# KiCad board 8851_HW-U1-VCU118_REV2-0_071417.kicad_pcb (continued)
## Routing (per net, layer and track width the routed paths; a pad name or vN(x,y) marks a point on that pad's centre or on a via; arc(x,y) is an arc through that point) (continued)
  05_SIG2 w0.375: v3(173.1,25.43) 173.68,24.85 173.68,23.8 174.1,23.38 178,23.38 178.38,23 178.38,21.12 183,16.5 191.62,16.5 194.12,19 202.57,19 204.95,16.62 v3(204.95,14.65)
  11_PWR2 w0.375: 36.73,110.44 J70.1 ; J70.1 38.32,108.86 ; J70.1 37.52,108.6 ; J70.1 37.52,110.7 ; J70.1 36.47,109.65 ; J70.1 38.32,110.44 ; J70.1 38.58,109.65 ; J70.1 36.73,108.86 ; J82.1 11.69,101.24 ; J82.1 10.9,99.4 ; J82.1 11.69,99.65 ; J82.1 10.9,101.5 ; J82.1 9.85,100.45 ; J82.1 11.95,100.45 ; J82.1 10.11,99.65 ; J82.1 10.11,101.24
  18_SIG6 w0.375: v3(204.95,14.65) 205.47,14.12 225.32,14.12 227.55,16.35 227.55,36.19 v3(227.22,36.52) 228.03,37.32 228.03,51.69 226.74,52.97 226.3,52.97 222.61,56.67 215.34,56.67 213.76,58.25 213.76,75.8 213.91,75.95 213.91,77.03 213.29,77.65 213.19,77.65 210.1,80.74 210.1,82.07 209.43,82.74 209.43,89.32 209.98,89.87 209.98,91.72 209.55,92.15 209.55,99.77 209.98,100.2 209.98,123.62 203.9,129.7 190.14,129.7 184.82,135.03 181.67,135.03 180.98,135.71 180.98,141.03 182.1,142.15 185.57,142.15 185.62,142.1 186.12,142.1 186.17,142.15 192.22,142.15 192.68,142.6 201.89,142.6 203,143.71 207.54,143.71 208.88,145.05 208.88,151.01 210.2,152.32 210.2,153.1 211.11,154.01 213.45,154.01 213.86,154.43 v3(214.55,154.43)
  BOTTOM w0.2: v3(28.38,110.42) 28.81,109.99 29.28,109.99 ; U128.13 32.04,106.76 v3(32.45,106.35)
  BOTTOM w0.3: 37.42,104.99 37.11,104.99 36.8,105.3
  BOTTOM w0.375: R860.2 11.73,68.55 v3(12.03,68.25) ; v3(227.22,36.52) 223.6,36.52 223.5,36.42 222.82,36.42 ; v3(44.38,137.5) 43.59,137.5 43.46,137.64 ; C811.1 v3(15.81,125.78) 16.05,126.02 16.05,126.94 ; v6(15.26,135.99) 15.65,136.39 16.05,136.39 ; v6(22.73,127.97) 22.92,127.78 23.48,127.78 ; 214.06,153.59 214.06,153.94 v3(214.55,154.43) ; v3(161.26,16.06) 161.31,16.1 161.31,17.21 161.31,17.22 ; 160.07,21.44 160.2,21.57 v3(160.2,22.12) ; v6(12.11,132.84) 12.56,132.4 C830.1 ; v4(37.69,136.92) 37.93,136.68 C83.1 ; v6(15.26,131.27) 15.41,131.12 16.05,131.12 ; C803.1 v3(21.88,140.88) ; v3(44.38,134.18) 44.12,134.43 43.49,134.43 ; 31.75,130.81 31.75,130.33 v3(31.98,130.1) ; R832.1 v3(33.38,105.8) ; C828.1 v3(11.91,139.49) ; v3(48.27,138.45) 48.27,138.54 47.47,139.35 ; 7.8,128.12 v3(8.56,128.12) ; 43.49,140.93 43.49,141.93 44.4,141.93 v3(44.45,141.88) ; 9.85,101.5 J82.1 ; J82.1 10.9,101.5 ; J82.1 9.85,100.45 ; J82.1 11.95,101.5 ; J82.1 10.9,99.4 ; J82.1 11.95,99.4 ; J82.1 11.95,100.45 ; J82.1 9.85,99.4 ; C140.1 32.63,137.8 v3(32,137.16) 32.49,136.68 C116.1 ; 39.5,135.5 39.5,136.56 39.61,136.68 40.25,136.68 v3(40.5,136.43) ; 13.54,132.05 13.54,131.41 v6(13.68,131.27) ; 7.8,157.91 v3(7.8,157.15) ; C801.1 v3(20.18,125.64) ; 171.81,24.53 172.21,24.53 v3(173.1,25.43) ; C142.1 v3(29.13,132.68) ; 15.19,112.96 15.19,113.99 v3(15.6,114.4) ; 7.67,136.14 v3(8.56,136.14) ; v3(35.75,132.8) 35.62,132.93 35.62,133.93 ; C808.1 v3(11.68,125.57) ; 160.07,20.45 158.59,20.45 v3(158.31,20.18) ; 26.25,142.62 v3(26.25,143.67) ; v3(26.82,123.25) 26.82,123.73 C775.1 ; v3(162.26,16.06) 162.45,16.25 162.45,17.16 C852.1 ; R816.1 v3(25.83,109.6) ; 7.05,138.31 v3(7.92,138.31) ; 24.07,121.88 v3(24.07,120.47) ; v3(29.2,130.28) 29.2,131.02 28.77,131.45 28.58,131.45 ; v3(41.3,143.68) 41.3,142.94 ; 43.49,139.93 v3(44.37,139.93)
  vias: v3(5.55,125.27) v3(6.4,125.27) v3(13.12,141.55) v3(14.62,141.55) v3(15.78,141.58) v3(17.12,141.58) v3(18.38,141.58) v3(21,143.68) v3(20.99,142.81) v3(21.75,143.68) v3(21.75,142.8) v3(36.76,106.05)
SYS_1V8_POR_B: length 69.1
  TOP w0.3: 45.17,136.68 45.17,138.13 45.18,138.15
  TOP w0.375: v3(44.92,139.03) 45.18,138.77 45.18,138.15
  07_SIG3 w0.375: v3(28.42,109.6) 29.46,108.56 29.46,106.04 30.61,104.89 34.74,104.89 36.95,102.67 v3(41.62,102.67)
  20_SIG7 w0.375: v3(41.62,102.67) 40,104.3 40,106.47 39.15,107.33 39.15,113.49 34,118.64 34,128.97 39.48,134.45 39.48,137.06 40.59,138.18 42.88,138.18 43.67,138.98 44.88,138.98 v3(44.92,139.03)
  BOTTOM w0.2: 29.28,109.6 v3(28.42,109.6)
  BOTTOM w0.25: 40.33,103.51 41.6,103.51 41.62,103.49 v3(41.62,102.67)
SYS_2V2: length 243.2
  TOP w0.15: v3(133.49,112.57) 133.49,112.56 R601.1
  TOP w0.3: 46.64,133.77 46.64,133.26 v3(46.95,132.95)
  TOP w0.375: J28.1 52.33,133.8 ; J28.1 50.48,134.59 ; J28.1 51.27,134.85 ; J28.1 52.07,134.59 ; J28.1 50.48,133.01 ; J28.1 50.22,133.8 ; J28.1 52.07,133.01 ; J28.1 51.27,132.75 ; v3(132.37,114.28) 132.58,114.49 133.83,114.49 ; 50.34,138.38 50.5,138.38 v3(51.15,137.73) ; U80.24 v3(140.94,121.53) ; v3(203.38,155.68) 202.72,155.68 202.22,156.18 ; 47.35,130.01 v3(47.35,129.31)
  05_SIG2 w0.375: v3(148.68,141.3) 149.45,140.53 149.45,139.35 148.75,138.65 148.75,137.45 149.55,136.65 149.55,135.2 148.88,134.53 148.88,131.7 146.43,129.25 146.43,128.1 143.39,125.06 143.39,120.57 142.42,119.6 141.96,119.6 141.57,119.22 141.57,118.73 141.17,118.33 140.58,118.33 140.04,117.79 140.04,116.53 v3(137.33,113.82)
  14_SIG4 w0.375: v3(203.38,155.68) 201.2,157.85 197.59,157.85 195.74,159.7 185.6,159.7 183.4,157.5 177.3,157.5 176.53,156.73 176.53,155.5 171.65,150.62 155.17,150.62 148.68,144.13 v3(148.68,141.3)
  18_SIG6 w0.375: v3(64.13,138.39) 63.85,138.39 61.98,136.52 61.59,136.52 61.33,136.79 57.87,136.79 57.03,137.63 v3(57.03,137.88)
  20_SIG7 w0.375: 50.48,134.59 J28.1 ; J28.1 52.33,133.8 ; J28.1 52.07,134.59 ; J28.1 52.07,133.01 ; J28.1 51.27,132.75 ; J28.1 50.48,133.01 ; J28.1 50.22,133.8 ; J28.1 51.27,134.85
  BOTTOM w0.15: 63.9,138.39 v3(64.13,138.39) ; v3(133.49,112.57) 133.61,112.57
  BOTTOM w0.375: v3(137.33,113.82) R580.1 138.07,113.81 R602.1 138.07,111.29 136.77,109.99 134.19,109.99 133.49,110.69 v3(133.49,112.57) 133.08,112.57 132.37,113.28 v3(132.37,114.28) 132.61,114.52 132.8,114.52 133.18,114.89 133.18,116.57 132.7,117.05 130.95,117.05 130.17,117.83 130.17,120.97 127.55,123.59 127.55,127.88 125.9,129.53 113.59,129.53 101.4,141.73 69.55,141.73 66.21,138.39 v3(64.13,138.39) ; 60.96,138.2 61.25,137.9 62.06,137.9 62.38,137.58 63.09,137.58 63.9,138.39 ; 55.84,138.47 56.43,138.47 v3(57.03,137.88) ; 49.08,136.17 v3(50.1,136.17) ; 133.61,112.57 C522.1 ; C75.1 v3(55.29,137.63)
  vias: v3(47.7,133.12) v3(50.2,132.8)
SYS_2V5: length 101.1
  TOP w0.25: v1(79.09,89.99) 78.89,89.79 78.89,89.4 ; C700.1 68.27,97.28 v1(68.07,97.08) ; v1(68.07,69.33) 68.27,69.53 C697.1 ; C560.1 68.27,41.78 v1(68.07,41.58) ; 78.89,33.9 78.89,34.29 v1(79.09,34.49) ; C555.1 68.27,55.66 v1(68.07,55.45) ; v1(79.09,62.24) 78.89,62.04 78.89,61.65 ; v1(68.07,83.2) 68.27,83.41 C955.1 ; 37.94,140.83 v3(37.94,141.8)
  TOP w0.375: 69.71,108.92 v2(69.22,108.43) ; v3(59.08,116.01) 58.69,116.39 58.69,116.8 ; 65.98,123.27 J99.1 ; J99.1 66.78,123.52 ; J99.1 65.19,123.52 ; J99.1 64.93,124.32 ; J99.1 67.03,124.32 ; J99.1 66.78,125.11 ; J99.1 65.19,125.11 ; J99.1 65.98,125.37 ; 153.5,58.72 v1(153.11,58.32) ; 153.5,30.72 v1(153.11,30.32) ; 69.71,120.74 v2(69.21,121.23) ; 79.55,120.74 v2(80.04,121.23) ; 78.48,75.41 78.92,75.41 79.09,75.58 v1(79.09,76.11) ; 68.72,120.74 v2(68.23,121.23) ; v3(40.7,144.33) 40.46,144.08 39.63,144.08 ; 153.5,44.84 v1(153.11,44.45) ; 163.74,78.89 v1(164.13,79.28) ; 163.74,51.14 v1(164.13,51.53) ; U141.M1 v2(85.85,109.57) ; 163.74,65.02 v1(164.13,65.41) ; 79.55,108.92 v2(80.04,108.43) ; v1(79.09,48.36) 79.09,48.27 78.48,47.66 ; 163.74,37.02 v1(164.13,37.41) ; 153.5,86.47 v1(153.11,86.07) ; 163.74,92.77 v1(164.13,93.16) ; U141.M13 v2(98.65,109.57) ; 153.5,72.59 v1(153.11,72.2) ; U141.B1 v2(85.85,120.4) ; U141.B13 v2(98.65,120.4)
  09_PWR1 w0.375: 65.19,123.52 J99.1 ; J99.1 64.93,124.32 ; J99.1 67.03,124.32 ; J99.1 66.78,125.11 ; J99.1 65.98,123.27 ; J99.1 66.78,123.52 ; J99.1 65.19,125.11 ; J99.1 65.98,125.37
  20_SIG7 w0.375: 65.19,123.52 J99.1 ; J99.1 64.93,124.32 ; J99.1 65.98,123.27 ; J99.1 65.98,125.37 ; J99.1 65.19,125.11
  BOTTOM w0.2: v3(28.18,108.58) 28.36,108.76 28.77,108.76 28.82,108.81 29.28,108.81
  BOTTOM w0.25: v1(164.13,51.53) 164.06,51.61 164.06,52.12 ; C1145.1 153.11,44.2 v1(153.11,44.45) ; 164.06,79.87 164.06,79.36 v1(164.13,79.28) ; v1(153.11,72.2) 153.57,71.74 C1151.1 ; C1154.1 153.11,85.82 v1(153.11,86.07) ; v3(37.94,141.8) 38,141.75 38,140.79 ; v1(153.11,58.32) 153.11,58.07 C1148.1 ; C1160.1 153.11,30.07 v1(153.11,30.32) ; v1(164.13,37.41) 164.06,37.48 164.06,38 ; v1(164.13,65.41) 164.06,65.48 164.06,66 ; v1(164.13,93.16) 164.06,93.23 164.06,93.75
  BOTTOM w0.375: 39,140.79 v3(39.87,140.79) ; J99.1 65.98,125.37 ; J99.1 65.98,123.27 ; J99.1 66.78,123.52 ; J99.1 65.19,123.52 ; J99.1 67.03,124.32 ; J99.1 66.78,125.11 ; J99.1 65.19,125.11 ; 15.06,119.7 15.48,119.7 v3(15.93,119.25) ; 79.82,121.92 79.82,123.5 79.1,124.22 71.02,124.22 69.27,122.46 69.27,121.93 69.27,121.28 v2(69.21,121.23) ; 79.82,121.92 79.82,121.45 v2(80.04,121.23) ; 79.82,121.92 79.82,121.92 83.02,121.92 83.76,121.18 C1281.1 85.16,121.09 v2(85.85,120.4) ; 39.63,143.79 40.17,143.79 v3(40.7,144.33) ; C1301.1 68.29,121.28 v2(68.23,121.23) ; v2(99.64,108.59) 99.69,108.64 100.53,108.64 ; 69.03,107.58 69.03,108.24 v2(69.22,108.43) ; 84.9,109.67 85.75,109.67 v2(85.85,109.57) ; 68.46,41.18 v1(68.07,41.58) ; 78.7,34.88 v1(79.09,34.49) ; 78.7,48.76 v1(79.09,48.36) ; 78.7,76.51 v1(79.09,76.11) ; 99.65,120.32 99.57,120.4 v2(98.65,120.4) ; 68.46,68.93 v1(68.07,69.33) ; 59.08,116.82 v3(59.08,116.01) ; 78.7,90.38 v1(79.09,89.99) ; 80.25,106.57 80.25,107.24 v2(80.04,107.45) ; 78.7,62.63 v1(79.09,62.24) ; 68.46,96.68 v1(68.07,97.08) ; 68.46,55.06 v1(68.07,55.45) ; R819.1 v3(25.78,105.85) ; 68.46,82.81 v1(68.07,83.2)
  vias: v2(78.07,107.45) v2(99.64,109.57) v3(64.34,125.61) v3(64.34,124.36) v3(64.34,123.11) v3(64.34,121.86)
SYS_2V5_PGOOD: length 246.4
  TOP w0.3: v3(60.33,118.68) 60.09,118.44 U151.C3
  TOP w0.375: Q6.1 v3(215.48,152.77)
  07_SIG3 w0.375: v3(49.99,154.08) 51.55,152.52 51.55,151.85 54.57,148.82 54.57,147.25 55.92,145.91 55.92,140.25 58.15,138.02 58.15,132.88 58.9,132.12 58.9,130.57 58.26,129.94 58.26,125.23 58.63,124.87 58.63,119.55 59.5,118.68 v3(60.33,118.68)
  18_SIG6 w0.375: v3(49.99,154.08) 49.88,153.97 47.66,153.97 46.17,155.46 46.17,165.18 52.37,171.38 174.52,171.38 175.78,170.12 175.78,157.34 v3(177.59,155.52)
  20_SIG7 w0.375: v3(215.48,152.77) 214.65,153.6 207.4,153.6 206.38,154.62 205.47,154.62 205.11,154.26 201.19,154.26 200.4,155.05 200.4,155.85 199.7,156.55 192.85,156.55 191.82,155.52 v3(177.59,155.52)
  BOTTOM w0.375: 59.52,118.47 60.12,118.47 v3(60.33,118.68)
SYS_2V5_POR_B: length 47
  TOP w0.3: v3(60.43,119.85) 59.89,119.31 59.85,119.31 59.47,118.93 U151.B3
  05_SIG2 w0.375: v3(60.43,119.85) 59.19,118.61 59.19,117.46 58.12,116.39 56.39,116.39 53.95,113.95 52.5,113.95 51.17,115.28 43.23,115.28 39.25,111.3 39.25,109.27 37.22,107.25 36.38,107.25 34.07,104.94 32.52,104.94 32.49,104.97 30.35,104.97 28.38,106.95 v3(28.38,107.77)
  BOTTOM w0.2: 29.28,108.42 28.92,108.42 28.91,108.41 28.82,108.41 28.62,108.21 28.62,108.02 v3(28.38,107.77)
  BOTTOM w0.375: 61.09,118.85 61.09,119.16 60.43,119.82 v3(60.43,119.85)
SYSCLK1_300_N: length 165.8
  TOP w0.102: v3(167.57,14.15) 167.18,14.54 167.18,19.01 169.32,21.15 170.53,21.15 170.63,21.04 170.63,20.9 170.53,20.8 170.16,20.8 170.06,20.69 170.06,20.25 ; v3(83.99,68.26) 83.92,68.18 81.12,68.18 ; v2(98.66,72.68) 99.15,72.19
  05_SIG2 w0.107: 139.44,46.56 139.44,46.58 139.47,46.62 139.47,47.35 139.34,47.48 135.81,47.48 135.47,47.83 135.47,51.19 135.24,51.42 98.37,51.42 98.07,51.72 98.07,69.97 98.41,70.32 98.88,70.32 99.05,70.49 99.05,72.57 98.94,72.68 v2(98.66,72.68)
  05_SIG2 w0.133: v3(167.57,14.15) 167.37,13.95 167.37,13.77 166.84,13.25 139.65,13.25 137.38,15.53 137.38,18.85 135.57,20.65 135.57,24.15 133.53,26.2 133.53,29.38 134.62,30.48 134.62,32 137.83,35.2 137.83,40.3 139.44,41.91 139.44,46.56
  BOTTOM w0.102: v3(83.99,68.26) 83.99,68.26 83.99,68.46 84.1,68.56 84.2,68.56 84.72,68.56 88.72,72.56 93.09,72.56 93.44,72.21 98.19,72.21 v2(98.66,72.68)
SYSCLK1_300_P: length 166.5
  TOP w0.102: 171.31,20.25 170.85,20.7 170.85,21.14 170.62,21.37 169.22,21.37 166.95,19.1 166.95,14.45 v3(166.66,14.15) ; 81.12,69.17 83.88,69.17 83.93,69.11 v3(84,69.11) ; v2(99.64,72.68) 100.13,72.19
  05_SIG2 w0.107: v2(99.64,72.68) 99.36,72.68 99.25,72.57 99.25,70.41 98.96,70.12 98.49,70.12 98.27,69.89 98.27,51.8 98.45,51.62 135.32,51.62 135.67,51.27 135.67,47.91 135.9,47.68 139.43,47.68 139.68,47.43 139.68,46.62 139.71,46.58 139.71,46.56
  05_SIG2 w0.133: 139.71,46.56 139.71,41.8 138.1,40.19 138.1,35.09 134.9,31.89 134.9,30.36 133.8,29.26 133.8,26.31 135.85,24.26 135.85,20.76 137.65,18.96 137.65,15.64 139.77,13.52 166.73,13.52 167.09,13.88 167.09,14.02 166.96,14.15 v3(166.66,14.15)
  BOTTOM w0.102: v2(99.64,72.68) 99.19,73.14 93.44,73.14 93.08,72.78 88.63,72.78 84.63,68.79 84.32,68.79 v3(84,69.11)
SYSCLK2_300_N: length 87.8
  TOP w0.102: 105.45,22.02 105.45,21.55 105.32,21.42 105.32,21.19 v3(105.67,20.84) ; 170.88,15.32 170.36,15.32 170.25,15.43 170.15,15.43 170.02,15.3 170.02,15.01 169.69,14.68 169.6,14.68 v3(169.23,14.31) ; 99.6,26.5 99.93,26.5 100.05,26.37 100.05,25.98 100.28,25.75 100.95,25.75 101.55,25.15 101.55,24.01 102.81,22.75 U104.4
  07_SIG3 w0.133: v3(169.23,14.31) 168.94,14.6 167.38,14.6 166.53,15.45 165.3,15.45 164.55,14.7 159.21,14.7 158.84,15.07 152.41,15.07 151.46,14.13 133.51,14.13 133.02,14.61 131.97,14.61 131.35,15.23 130.67,15.23 129.98,14.55 128.52,14.55 127.27,15.79 126.02,15.79 125.14,14.92 123.76,14.92 123.34,14.5 120.12,14.5 118.69,15.93 116.26,15.93 115.02,17.17 112.29,17.17 111.54,16.41 107.83,16.41 107.26,16.97 105.09,16.97 102.97,19.1 102.97,20.38 104.32,21.73 104.99,21.73 105.34,21.38 105.34,21.17 v3(105.67,20.84)
  BOTTOM w0.102: v3(105.67,20.84) 105.67,20.97 105.62,21.02 105.62,21.88
SYSCLK2_300_P: length 87.3
  TOP w0.102: U104.3 102.66,23.25 101.78,24.13 101.78,25.24 101.04,25.98 100.37,25.98 100.28,26.07 100.28,26.42 100.35,26.5 100.72,26.5 ; 170.88,15.81 170.41,15.81 170.25,15.65 170.06,15.65 169.8,15.39 169.8,15.1 169.6,14.9 169.51,14.9 v3(169.23,15.17) ; 104.96,22.02 104.96,21.56 105.1,21.43 105.1,21.19 v3(104.75,20.84)
  07_SIG3 w0.133: v3(169.23,15.17) 168.98,14.93 167.44,14.93 166.64,15.73 165.19,15.73 164.44,14.98 161.66,14.98 161.52,15.11 161.52,15.34 161.39,15.48 161.13,15.48 160.99,15.34 160.99,15.11 160.86,14.98 160.6,14.98 160.46,15.11 160.46,15.34 160.33,15.48 160.07,15.48 159.93,15.34 159.93,15.11 159.8,14.98 159.32,14.98 158.95,15.35 152.29,15.35 151.35,14.4 133.62,14.4 133.14,14.89 132.08,14.89 131.47,15.51 130.56,15.51 129.87,14.82 128.63,14.82 127.38,16.07 125.9,16.07 125.03,15.19 123.65,15.19 123.23,14.78 120.23,14.78 118.8,16.2 116.38,16.2 115.14,17.44 112.18,17.44 111.42,16.69 107.94,16.69 107.38,17.25 105.21,17.25 103.24,19.21 103.24,20.27 104.43,21.46 104.87,21.46 105.07,21.26 105.07,21.16 v3(104.75,20.84)
  BOTTOM w0.102: 104.63,21.88 104.63,20.96 v3(104.75,20.84)
SYSCLK_300_N: length 20.3
  TOP w0.102: 172.11,17.53 172.11,18.13 172.24,18.26 172.24,18.73 172.68,19.17 R1140.1 172.68,20.24 172.78,20.34 172.95,20.34 173.06,20.45 173.06,21.41 171.46,23 168.45,23 166.5,21.05 166.5,20.73 165.68,19.91 165.68,19.76 165.87,19.57 165.87,19.42 165.73,19.28 165.58,19.28 165.39,19.47 165.24,19.47 164.85,19.08 164.6,19.08 164.46,18.95 163.87,18.95
  TOP w0.15: U122.21 162.19,22.06 161.38,22.88 161.05,22.88 160.81,23.11 160.81,23.8
SYSCLK_300_P: length 17.9
  TOP w0.102: 163.87,19.44 164.46,19.44 164.6,19.31 164.76,19.31 166.28,20.83 166.28,21.14 168.36,23.23 171.56,23.23 173.28,21.5 173.28,20.45 173.38,20.34 173.56,20.34 173.66,20.24 R1140.2 172.84,18.91 172.74,18.91 172.47,18.64 172.47,18.26 172.6,18.13 172.6,17.53
  TOP w0.25: v3(161.45,22.04) 161.7,21.79 U122.22
SYSCLK_OEB_ALL: length 2.6
  TOP w0.25: U122.5 159.41,18.45 v3(158.86,17.91)
  BOTTOM w0.375: 159.95,18.33 159.28,18.33 v3(158.86,17.91)
SYSCLK_RESET: length 1
  BOTTOM w0.375: v3(159.09,19.68) 159.46,19.31 159.95,19.31
SYSCTLR_AGND: length 27.6
  TOP w0.375: 26.83,136.07 27.97,136.07 v3(28.12,136.22) ; U111.G8 v6(15.26,133.63) ; 24.77,137 23.73,137 v3(23.55,136.83) ; 16.44,132.45 v6(16.83,132.84) ; U111.F8 v6(15.26,134.42)
  07_SIG3 w0.375: v3(26.89,138.93) v3(25.98,138.93) 25.98,138.96 24.84,140.1 16.4,140.1 15.94,139.64 15.94,134.32 v6(15.26,133.63)
  BOTTOM w0.375: v3(28.12,136.22) 27.95,136.05 C1579.2 ; v6(15.26,134.42) 15.37,134.31 16.05,134.31 ; 16.05,132.26 16.25,132.26 v6(16.83,132.84) ; 16.05,133.24 15.64,133.24 v6(15.26,133.63)
  vias: v3(23.7,137.63) v3(23.73,138.48) v3(24.98,139.1) v3(27.25,134.55) v3(27.25,133.68)
SYSCTLR_CFG_JTAG_TCK: length 4.2
  TOP w0.15: 11.72,133.24 v6(11.32,133.63)
  BOTTOM w0.111: v6(11.32,133.63) 10.92,134.03 10.92,134.58 10.69,134.8 9.39,134.8 9.19,135
  BOTTOM w0.15: R810.2 9.19,135
SYSCTLR_CFG_JTAG_TDI: length 3.5
  TOP w0.15: 10.93,132.45 v6(10.53,132.84)
  BOTTOM w0.111: v6(10.53,132.84) 10.14,133.24 10.14,133.87 9.99,134.03 9.24,134.03
  BOTTOM w0.15: 9.24,134.03 9.09,133.88 R811.2
SYSCTLR_CFG_JTAG_TMS: length 3.7
  TOP w0.15: 11.72,132.45 v6(11.32,132.84)
  BOTTOM w0.15: v6(11.32,132.84) 10.53,132.05 9.62,132.05 9.18,131.61 R812.2
SYSCTLR_CLK: length 263.4
  TOP w0.15: 19.59,133.24 v6(19.98,133.63) ; v3(157.22,14.3) 157.88,14.95 157.88,16.45 158.17,16.75 158.17,18.48 ; U111.C7 v6(14.47,136.78)
  03_SIG1 w0.17: v3(157.22,14.3) 156.88,13.95 133.38,13.95 132.93,13.5 126.67,13.5 126.25,13.08 122.35,13.08 118.47,16.95 115.95,16.95 115.49,16.49 v3(114.7,16.49)
  14_SIG4 w0.087: v3(29.68,91.88) 27.45,94.1 23.98,94.1 21.45,96.62 21.45,102.56 20.68,103.33 20.68,108.51 17.07,112.11 17.07,117.1 15.39,118.78 15.39,124.16 16.31,125.08 16.31,126.07 16.29,126.08 16.29,131.46 16.9,132.07 19.15,132.07 19.59,132.51 19.59,133.24 v6(19.98,133.63)
  20_SIG7 w0.087: v3(114.7,16.49) 91.24,16.49 90.93,16.18 77.76,16.18 77.29,16.64 73.29,16.64 72.33,15.68 71.84,15.68 54.24,15.68 52.52,13.96 46.69,13.96 45.98,14.68 36.65,14.68 31.75,19.57 31.75,65.85 29.53,68.08 29.53,91.73 v3(29.68,91.88)
SYSCTLR_DONE: length 18.1
  TOP w0.138: 2.08,126.53 Q3.1
  TOP w0.15: 2.08,126.53 v3(1.34,126.53) ; 12.5,133.24 v6(12.11,133.63)
  TOP w0.375: v3(3.75,126.3) 3.52,126.53 R748.2 ; U111.M7 v6(14.47,128.91)
  18_SIG6 w0.087: v3(1.34,126.53) 4.73,129.92 7.04,129.92 9.45,132.33 11.36,132.33 11.71,132.68 11.71,133.24 v6(12.11,133.63)
SYSCTLR_ENABLE: length 261.3
  TOP w0.15: v3(121.71,29.82) 121.94,30.05 122.38,30.05 122.61,30.29 122.61,30.77 ; 31.95,121.35 31.95,120.38 v3(31.75,120.17) ; 14.08,129.3 v6(13.68,128.91)
  TOP w0.375: v3(27.62,114.92) 27.62,114.7 28.2,114.12 SW16.1
  14_SIG4 w0.087: v3(121.71,29.82) 121.36,30.17 118.65,30.17 118.12,29.64 118.12,28.54 115.51,25.93 115.51,21.74 116.43,20.83 v3(116.43,19.17) ; v6(13.68,128.91) 13.29,128.51 13.29,116.34 14.82,114.8 14.82,112.83 18.6,109.05 18.6,94.95 20.2,93.35 27.02,93.35 v3(28.5,91.88)
  16_SIG5 w0.087: v6(13.68,128.91) 14.08,128.51 14.08,127.94 14.29,127.73 14.65,127.73 14.86,127.52 14.86,127.16 15.08,126.94 15.58,126.94 16.28,126.25 16.28,125.52 17.43,124.38 17.43,119.65 17.95,119.12 26.61,119.12 27.59,120.11 27.59,120.49 28,120.9 31.02,120.9 v3(31.75,120.17)
  20_SIG7 w0.087: v3(116.43,19.17) 115.3,18.04 115.3,15.26 114.79,14.76 87.54,14.76 87.18,14.39 82.24,14.39 81.57,15.07 58.49,15.07 56.7,13.27 46.44,13.27 45.7,14.01 36.37,14.01 30.98,19.4 30.98,65.68 28.75,67.91 28.75,91.62 v3(28.5,91.88)
SYSCTLR_ERR_LED: length 20.6
  TOP w0.138: v3(3.75,133.18) 3.75,133.24 R96.1 4.31,134.32 4.46,134.47 4.46,134.48 4.53,134.55 Q35.1
  TOP w0.15: 16.44,129.3 v6(16.83,128.91)
  TOP w0.375: U111.G12 v6(19.2,133.63)
  03_SIG1 w0.17: v3(3.75,133.18) 5.08,133.18 5.49,133.58 5.49,134.01 5.79,134.3 6.5,134.3 6.59,134.39 7.46,134.39 9.64,132.22 15.6,132.22 16.23,131.58 16.23,129.51 v6(16.83,128.91)
SYSCTLR_GPIO_5: length 185
  TOP w0.15: 18.8,128.51 v6(19.2,128.12) ; v2(137.04,61.85) 136.55,62.35
  20_SIG7 w0.087: v3(63.2,72.3) 62,73.49 60,73.49 55.63,77.87 54.25,77.87 52.14,79.98 52.14,81.36 44.83,88.67 43.48,88.67 36.85,95.3 36.85,104.67 36.15,105.37 36.15,108.14 35.4,108.89 35.4,112.85 29.95,118.3 25.23,118.3 23.4,120.12 23.4,120.85 22.78,121.47 21.57,121.47 17.42,125.62 17.42,126.19 17.23,126.38 17.23,126.71 17.46,126.94 18.57,126.94 18.8,127.17 18.8,127.73 v6(19.2,128.12)
  BOTTOM w0.15: v3(63.2,72.3) 63.81,72.3 64.17,71.94 64.17,68 66.74,65.44 79.63,65.44 80.3,64.78 80.3,58.82 81.17,57.95 81.75,57.95 82.08,57.62 82.08,56.09 83.63,54.53 89.97,54.53 92.87,57.42 105.8,57.42 106.04,57.67 106.04,58.11 106.33,58.4 106.72,58.4 107.02,58.7 107.02,60.08 107.29,60.35 107.69,60.35 108.05,60.71 108.05,61.11 108.3,61.36 111.65,61.36 111.95,61.66 111.95,62.05 112.24,62.35 112.69,62.35 112.93,62.59 112.93,63.03 113.23,63.33 113.62,63.33 113.91,63.63 113.91,64.04 114.18,64.31 115.54,64.31 115.9,63.95 115.9,63.5 117.06,62.35 125.45,62.35 125.73,62.07 125.73,61.64 126,61.36 126.41,61.36 126.71,61.06 126.71,60.67 127.01,60.38 127.4,60.38 127.69,60.08 127.69,59.69 127.98,59.4 128.37,59.4 128.68,59.1 128.68,58.7 128.97,58.41 129.37,58.41 129.66,58.11 129.66,57.72 129.96,57.42 132.32,57.42 132.62,57.72 132.62,58.11 132.91,58.41 133.43,58.41 133.6,58.58 133.6,59.1 133.9,59.39 134.29,59.39 134.58,59.69 134.58,60.08 134.88,60.38 135.27,60.38 135.57,60.67 135.57,61.12 135.82,61.38 136.32,61.38 136.8,61.85 v2(137.04,61.85)
SYSCTLR_GPIO_6: length 270.9
  TOP w0.15: U111.A12 v6(19.2,138.36) ; v2(134.09,66.77) 133.6,66.28 ; 21.16,129.3 v6(21.56,128.91)
  14_SIG4 w0.087: v3(30.9,91.77) 32.83,91.77 37.48,96.42 37.48,107.42 36.04,108.86 36.04,118.26 28.68,125.62 28.03,125.62 27.6,126.05 27.6,126.7 26.81,127.49 25.53,127.49 24.12,128.91 v6(21.56,128.91)
  16_SIG5 w0.087: v3(106.37,26.26) 106.37,26.33 107.12,27.08 107.12,35.6 111.15,39.64 111.15,41.77 110.96,41.96 110.96,59.1 111.25,59.39 111.66,59.39 111.95,59.68 111.95,64.03 112.78,64.86 113.19,64.86 113.91,65.59 113.91,65.99 114.2,66.28 114.61,66.28 114.9,66.57 114.9,66.98 115.19,67.27 115.59,67.27 116.58,68.25 128.46,68.25 128.56,68.35 131.74,68.35 131.84,68.25 133.37,68.25 133.6,68.02 133.6,67.27 v2(134.09,66.77)
  20_SIG7 w0.087: v3(30.9,91.77) 30.2,91.08 30.2,68.35 32.42,66.13 32.42,25.23 39.77,17.89 39.77,16.54 40.96,15.35 46.26,15.35 46.95,14.66 52.38,14.66 54,16.27 72.09,16.27 73.05,17.23 77.79,17.23 78.26,16.77 90.69,16.77 91,17.08 98.18,17.08 103.57,22.46 103.57,23.28 105.04,24.75 105.37,24.75 106.41,25.79 106.41,26.21 v3(106.37,26.26)
SYSCTLR_GPIO_7: length 167.3
  TOP w0.15: 133.6,65.3 v2(134.09,65.79) ; 19.59,128.51 v6(19.98,128.12)
  20_SIG7 w0.087: v3(65.17,86.65) 65.15,86.67 65.15,86.71 64.42,87.44 64.42,88.91 64.79,89.27 65.33,89.27 66.1,88.5 66.1,85.53 65.39,84.81 63.82,84.81 63.6,85.03 63.21,85.03 63.16,84.98 60.54,84.98 59.62,85.89 59.62,86.58 59.03,87.17 51.75,87.17 41.05,97.88 41.05,99.8 37.61,103.24 37.61,107.33 35.86,109.08 35.86,113.06 30.07,118.85 26.7,118.85 25.55,120 25.55,120.8 24.32,122.02 22.48,122.02 19.67,124.83 19.67,125.85 19.97,126.15 20.14,126.15 20.38,126.38 20.38,127.73 v6(19.98,128.12)
  BOTTOM w0.111: v2(134.09,65.79) 133.78,65.79 133.38,66.18 130.09,66.18 129.69,66.58
  BOTTOM w0.15: v3(65.17,86.65) 65.17,86.65 65.32,86.8 77.8,86.8 78,86.6 91.7,86.6 93.35,84.95 97.03,84.95 97.18,84.8 97.18,82.29 97.44,82.03 97.92,82.03 98.17,81.78 98.17,81.26 98.38,81.05 98.85,81.05 99.15,80.75 99.15,80.37 99.46,80.06 99.84,80.06 100.13,79.77 100.13,79.37 100.43,79.08 100.82,79.08 101.12,78.78 101.12,78.39 101.42,78.09 101.81,78.09 102.1,77.8 102.1,77.45 102.44,77.11 102.84,77.11 103.09,76.86 103.09,76.46 103.42,76.12 103.78,76.12 104.08,75.83 104.08,75.43 104.37,75.14 104.76,75.14 105.08,74.83 105.08,74.43 105.33,74.17 105.83,74.17 106.04,73.96 106.04,73.51 106.38,73.17 115.66,73.17 116.75,72.08 116.75,71.65 117.2,71.2 119.52,71.2 119.9,71.58 119.9,71.97 120.12,72.19 122.48,72.19 122.77,71.89 122.77,71.5 123.07,71.2 126.4,71.2 126.71,70.89 126.71,70.47 126.96,70.22 127.43,70.22 127.69,69.96 127.69,69.46 127.91,69.24 128.38,69.24 128.68,68.94 128.68,67.58 128.67,67.58 128.67,67.57 128.99,67.25 129.38,67.25 129.67,66.95 129.67,66.6 129.69,66.58
SYSCTLR_INIT_B: length 27.2
  TOP w0.15: 13.29,135.6 v6(12.9,135.99) ; 5.1,126.8 v3(4.4,126.8) 4.4,128.43 4.51,128.55 ; 18.8,134.81 v6(19.2,135.21)
  TOP w0.375: Q7.1 4.61,126.01 v3(4.4,125.8)
  18_SIG6 w0.087: v3(4.4,126.8) 5.45,126.8 7.65,129 7.65,129.83 9.8,131.97 19.01,131.97 19.59,132.55 19.59,134.61 19.2,135 v6(19.2,135.21)
  BOTTOM w0.15: v3(4.4,126.8) 4.43,126.77 5.26,126.77
  BOTTOM w0.375: R726.2 6.78,126.77 7.04,126.51 v3(7.04,126.34)
SYSCTLR_MODE0: length 29.7
  TOP w0.15: 15.14,106.53 v3(16.02,106.53) 17.2,106.53 ; 18.01,126.94 v6(18.41,126.54)
  05_SIG2 w0.111: 21.7,125.37 21.95,125.62 21.95,126.71 21.72,126.94 18.8,126.94 v6(18.41,126.54)
  05_SIG2 w0.17: v3(16.02,106.53) 19.55,110.07 19.55,115.54 20.2,116.18 20.2,116.66 19.47,117.39 19.47,118.59 20.14,119.26 20.14,123.81 21.7,125.37
SYSCTLR_MODE1: length 31.3
  TOP w0.15: 19.59,130.09 v6(19.98,129.69) ; 17.2,107.78 v3(16.02,107.78) 15.14,107.78 ; U111.C11 v6(18.41,136.78)
  05_SIG2 w0.111: v6(19.98,129.69) 19.59,129.3 19.03,129.3 18.8,129.07 18.8,128.74 18.57,128.51 18.17,128.51 18.01,128.35 18.01,127.96 17.78,127.73 17.39,127.73 17.23,127.56 17.23,127.17 17,126.94 16.46,126.94 16.3,126.77 16.3,125.42
  05_SIG2 w0.17: v3(16.02,107.78) 15.36,108.44 15.36,110.59 16.32,111.54 16.32,115.27 17,115.95 17,117.4 15.38,119.02 15.38,123.77 16.3,124.7 16.3,125.42
  BOTTOM w0.375: 21.44,103.73 v3(21.44,105.29)
